# KiCad board panel.kicad_pcb
title: Model-B; date: 2024-06-18; rev: 0.1; note: Made with spite
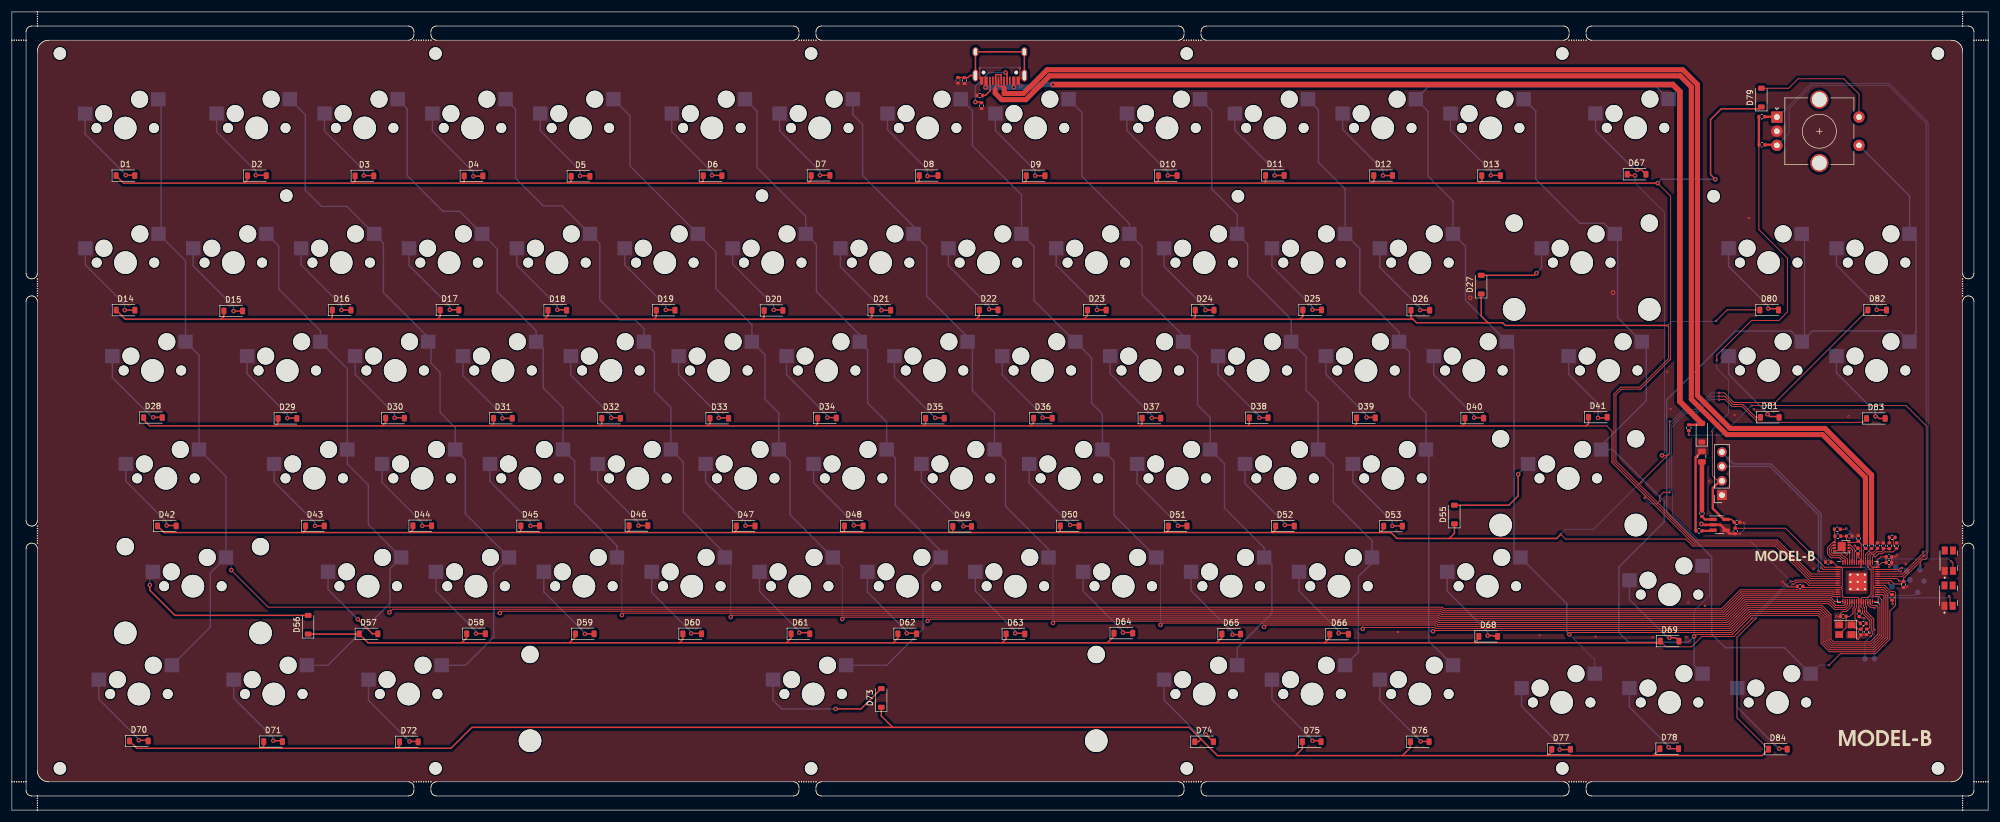
[diagram p0: board, top side]
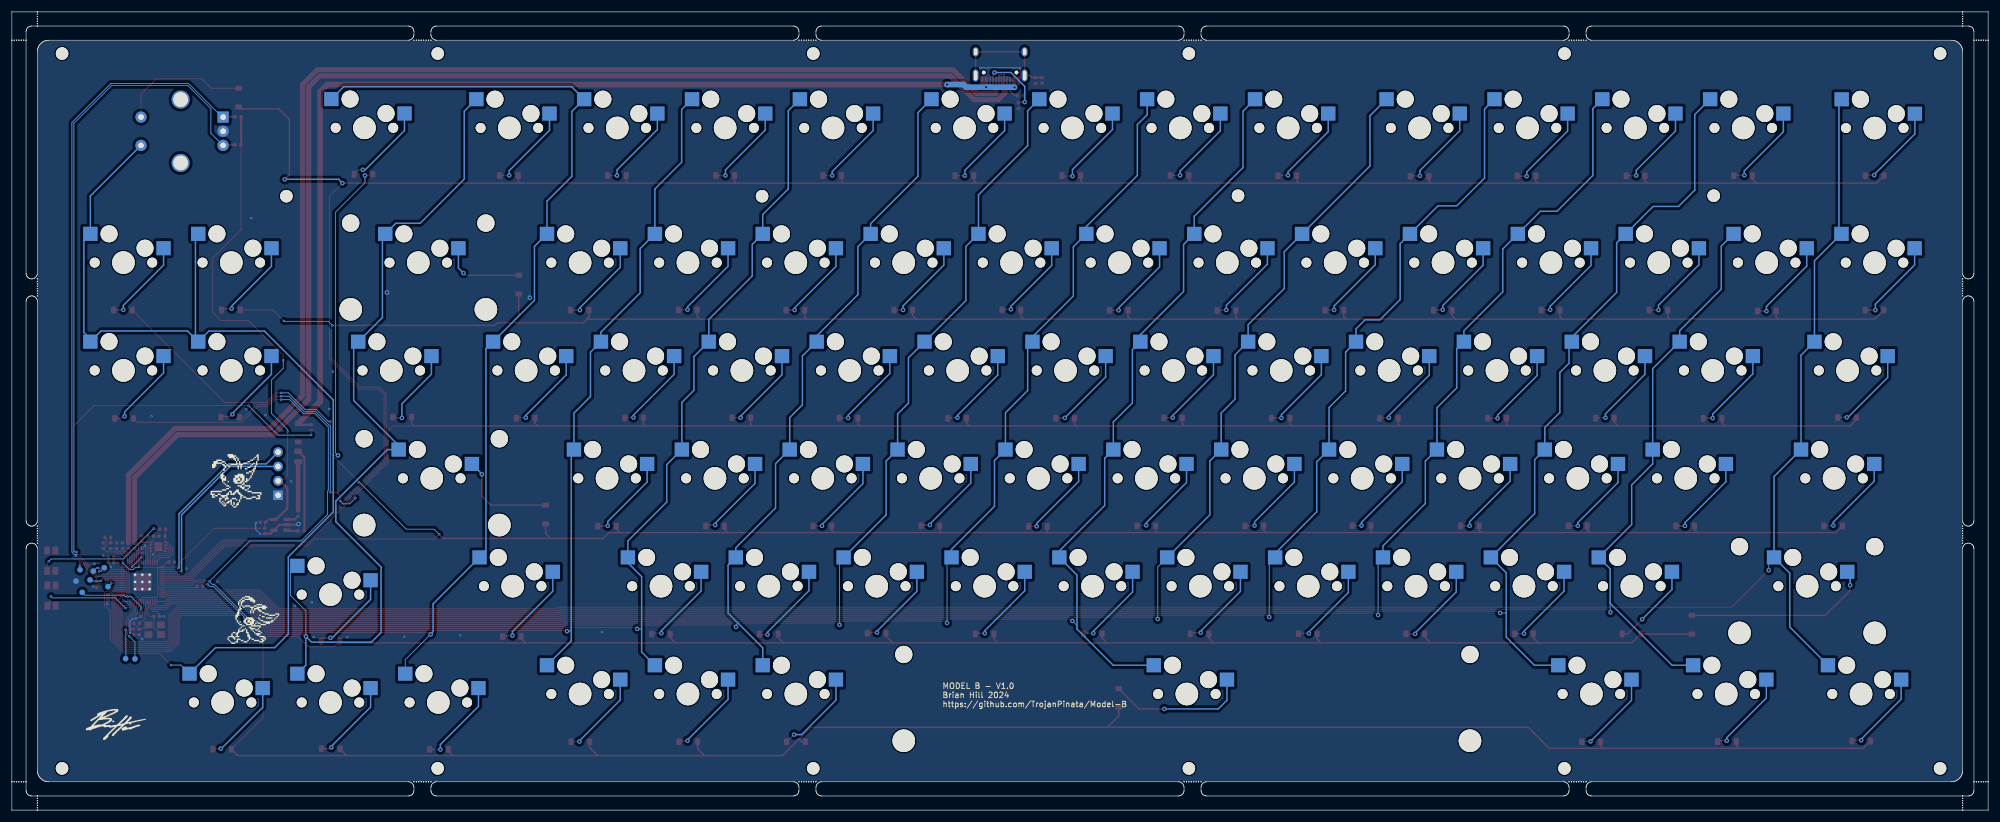
[diagram p1: board, bottom side, seen from below]

Outline 349 x 141 mm; copper layers: Top, Bottom. Coordinates in mm from the lower left corner of the outline.
Stack: Top 0.035mm / dielectric 1.51mm FR4 er 4.5 / Bottom 0.035mm

## Placement (name value [footprint] x y rotation side)
C1  0.1uF  [C_0402_1005Metric]  324.46 48.41 180 top
C2  22pF  [C_0402_1005Metric]  323.43 34.22 0 top
C3  22pF  [C_0402_1005Metric]  326.52 31.47 270 top
C4  0.1uF  [C_0402_1005Metric]  167.08 128.91 270 top
C5  10uF  [C_0402_1005Metric]  304.34 49.31 270 top
C6  10uF  [C_0402_1005Metric]  304.64 50.86 0 top
C7  1uF  [C_0402_1005Metric]  329.46 46.73 90 top
C8  0.1uF  [C_0402_1005Metric]  327.56 31.49 270 top
C9  0.1uF  [C_0402_1005Metric]  326 45.78 90 top
C10  0.1uF  [C_0402_1005Metric]  326.23 34.68 270 top
C11  2.2uF  [C_0402_1005Metric]  332.83 46.7 90 top
C12  0.1uF  [C_0402_1005Metric]  331.49 44.74 0 top
C13  0.1uF  [C_0402_1005Metric]  331.49 43.72 0 top
C14  0.1uF  [C_0402_1005Metric]  320.78 43.81 180 top
C15  0.1uF  [C_0402_1005Metric]  326.08 47.99 90 top
C16  0.1uF  [C_0402_1005Metric]  332.05 37.57 270 top
C17  0.1uF  [C_0402_1005Metric]  330.5 46.71 90 top
C18  2.2uF  [C_0402_1005Metric]  315.8 39.52 180 top
D1  D  [D_SOD-123]  20.04 112.08 0 top
D2  D  [D_SOD-123]  43.27 112.07 0 top
D3  D  [D_SOD-123]  62.25 112.03 0 top
D4  D  [D_SOD-123]  81.52 112.04 0 top
D5  D  [D_SOD-123]  100.42 111.96 0 top
D6  D  [D_SOD-123]  123.73 112.06 0 top
D7  D  [D_SOD-123]  142.81 112.11 0 top
D8  D  [D_SOD-123]  161.9 112.09 0 top
D9  D  [D_SOD-123]  180.79 112.06 0 top
D10  D  [D_SOD-123]  204.12 112.08 0 top
D11  D  [D_SOD-123]  223.04 112.11 0 top
D12  D  [D_SOD-123]  242.16 112.1 0 top
D13  D  [D_SOD-123]  261.23 112.08 0 top
D14  D  [D_SOD-123]  20.07 88.32 0 top
D15  D  [D_SOD-123]  39.09 88.18 0 top
D16  D  [D_SOD-123]  58.23 88.34 0 top
D17  D  [D_SOD-123]  77.28 88.34 0 top
D18  D  [D_SOD-123]  96.31 88.3 0 top
D19  D  [D_SOD-123]  115.45 88.31 0 top
D20  D  [D_SOD-123]  134.5 88.26 0 top
D21  D  [D_SOD-123]  153.53 88.3 0 top
D22  D  [D_SOD-123]  172.5 88.35 0 top
D23  D  [D_SOD-123]  191.59 88.33 0 top
D24  D  [D_SOD-123]  210.64 88.31 0 top
D25  D  [D_SOD-123]  229.63 88.35 0 top
D26  D  [D_SOD-123]  248.72 88.31 0 top
D27  D  [D_SOD-123]  259.49 92.82 90 top
D28  D  [D_SOD-123]  24.91 69.34 0 top
D29  D  [D_SOD-123]  48.66 69.19 0 top
D30  D  [D_SOD-123]  67.66 69.24 0 top
D31  D  [D_SOD-123]  86.71 69.21 0 top
D32  D  [D_SOD-123]  105.82 69.22 0 top
D33  D  [D_SOD-123]  124.92 69.21 0 top
D34  D  [D_SOD-123]  143.94 69.27 0 top
D35  D  [D_SOD-123]  163 69.21 0 top
D36  D  [D_SOD-123]  182.07 69.23 0 top
D37  D  [D_SOD-123]  201.24 69.24 0 top
D38  D  [D_SOD-123]  220.18 69.31 0 top
D39  D  [D_SOD-123]  239.12 69.29 0 top
D40  D  [D_SOD-123]  258.26 69.24 0 top
D41  D  [D_SOD-123]  280.08 69.41 0 top
D42  D  [D_SOD-123]  27.36 50.2 0 top
D43  D  [D_SOD-123]  53.51 50.21 0 top
D44  D  [D_SOD-123]  72.47 50.23 0 top
D45  D  [D_SOD-123]  91.53 50.22 0 top
D46  D  [D_SOD-123]  110.64 50.26 0 top
D47  D  [D_SOD-123]  129.58 50.19 0 top
D48  D  [D_SOD-123]  148.66 50.2 0 top
D49  D  [D_SOD-123]  167.82 50.11 0 top
D50  D  [D_SOD-123]  186.8 50.21 0 top
D51  D  [D_SOD-123]  205.87 50.18 0 top
D52  D  [D_SOD-123]  224.82 50.18 0 top
D53  D  [D_SOD-123]  243.91 50.16 0 top
D54  1N4002W  [D_SOD-123]  298.43 66.67 90 top
D55  D  [D_SOD-123]  254.75 52.21 90 top
D56  D  [D_SOD-123]  52.32 32.75 90 top
D57  D  [D_SOD-123]  62.97 31.13 0 top
D58  D  [D_SOD-123]  81.96 31.16 0 top
D59  D  [D_SOD-123]  101.16 31.14 0 top
D60  D  [D_SOD-123]  120.14 31.14 0 top
D61  D  [D_SOD-123]  139.25 31.14 0 top
D62  D  [D_SOD-123]  158.11 31.15 0 top
D63  D  [D_SOD-123]  177.22 31.12 0 top
D64  D  [D_SOD-123]  196.28 31.26 0 top
D65  D  [D_SOD-123]  215.33 31.1 0 top
D66  D  [D_SOD-123]  234.38 31.08 0 top
D67  D  [D_SOD-123]  286.92 112.31 0 top
D68  D  [D_SOD-123]  260.71 30.69 0 top
D69  D  [D_SOD-123]  292.75 29.85 0 top
D70  D  [D_SOD-123]  22.42 12.2 0 top
D71  D  [D_SOD-123]  46.12 12.11 0 top
D72  D  [D_SOD-123]  70.09 12.06 0 top
D73  D  [D_SOD-123]  153.54 19.81 90 top
D74  D  [D_SOD-123]  210.54 12.08 0 top
D75  D  [D_SOD-123]  229.55 12.08 0 top
D76  D  [D_SOD-123]  248.62 12.08 0 top
D77  D  [D_SOD-123]  273.58 10.75 0 top
D78  D  [D_SOD-123]  292.68 10.85 0 top
D79  D  [D_SOD-123]  308.96 125.86 90 top
D80  D  [D_SOD-123]  310.33 88.34 0 top
D81  D  [D_SOD-123]  310.44 69.38 0 top
D82  D  [D_SOD-123]  329.41 88.34 0 top
D83  D  [D_SOD-123]  329.18 69.18 0 top
D84  D  [D_SOD-123]  311.87 10.76 0 top
F1  0805L050WR  [Fuse_0805_2012Metric]  298.44 62.45 270 top
FB1  FB  [R_0402_1005Metric]  298.45 52.41 90 top
G***  -  [LOGO]  330.65 12.27 0 top
G***#2  -  [LOGO]  313.05 44.62 0 top
G***#3  -  [LOGO]  330.5 15.27 180 bottom
G***#4  -  [LOGO]  306.25 33.59 180 bottom
G***#5  -  [LOGO]  309.41 58.16 180 bottom
KiKit_MB_1_1  -  [NPTH]  4.5 90.83 0 top
KiKit_MB_1_2  -  [NPTH]  4.5 91.26 0 top
KiKit_MB_1_3  -  [NPTH]  4.5 91.69 0 top
KiKit_MB_1_4  -  [NPTH]  4.5 92.12 0 top
KiKit_MB_1_5  -  [NPTH]  4.5 92.55 0 top
KiKit_MB_1_6  -  [NPTH]  4.5 92.98 0 top
KiKit_MB_1_7  -  [NPTH]  4.5 93.4 0 top
KiKit_MB_1_8  -  [NPTH]  4.5 93.83 0 top
KiKit_MB_2_1  -  [NPTH]  4.5 47.17 0 top
KiKit_MB_2_2  -  [NPTH]  4.5 47.6 0 top
KiKit_MB_2_3  -  [NPTH]  4.5 48.02 0 top
KiKit_MB_2_4  -  [NPTH]  4.5 48.45 0 top
KiKit_MB_2_5  -  [NPTH]  4.5 48.88 0 top
KiKit_MB_2_6  -  [NPTH]  4.5 49.31 0 top
KiKit_MB_2_7  -  [NPTH]  4.5 49.74 0 top
KiKit_MB_2_8  -  [NPTH]  4.5 50.17 0 top
KiKit_MB_3_1  -  [NPTH]  344.5 93.83 0 top
KiKit_MB_3_2  -  [NPTH]  344.5 93.4 0 top
KiKit_MB_3_3  -  [NPTH]  344.5 92.98 0 top
KiKit_MB_3_4  -  [NPTH]  344.5 92.55 0 top
KiKit_MB_3_5  -  [NPTH]  344.5 92.12 0 top
KiKit_MB_3_6  -  [NPTH]  344.5 91.69 0 top
KiKit_MB_3_7  -  [NPTH]  344.5 91.26 0 top
KiKit_MB_3_8  -  [NPTH]  344.5 90.83 0 top
KiKit_MB_4_1  -  [NPTH]  344.5 50.17 0 top
KiKit_MB_4_2  -  [NPTH]  344.5 49.74 0 top
KiKit_MB_4_3  -  [NPTH]  344.5 49.31 0 top
KiKit_MB_4_4  -  [NPTH]  344.5 48.88 0 top
KiKit_MB_4_5  -  [NPTH]  344.5 48.45 0 top
KiKit_MB_4_6  -  [NPTH]  344.5 48.02 0 top
KiKit_MB_4_7  -  [NPTH]  344.5 47.6 0 top
KiKit_MB_4_8  -  [NPTH]  344.5 47.17 0 top
KiKit_MB_5_1  -  [NPTH]  71 136 0 top
KiKit_MB_5_2  -  [NPTH]  71.43 136 0 top
KiKit_MB_5_3  -  [NPTH]  71.86 136 0 top
KiKit_MB_5_4  -  [NPTH]  72.29 136 0 top
KiKit_MB_5_5  -  [NPTH]  72.71 136 0 top
KiKit_MB_5_6  -  [NPTH]  73.14 136 0 top
KiKit_MB_5_7  -  [NPTH]  73.57 136 0 top
KiKit_MB_5_8  -  [NPTH]  74 136 0 top
KiKit_MB_6_1  -  [NPTH]  139 136 0 top
KiKit_MB_6_2  -  [NPTH]  139.43 136 0 top
KiKit_MB_6_3  -  [NPTH]  139.86 136 0 top
KiKit_MB_6_4  -  [NPTH]  140.29 136 0 top
KiKit_MB_6_5  -  [NPTH]  140.71 136 0 top
KiKit_MB_6_6  -  [NPTH]  141.14 136 0 top
KiKit_MB_6_7  -  [NPTH]  141.57 136 0 top
KiKit_MB_6_8  -  [NPTH]  142 136 0 top
KiKit_MB_7_1  -  [NPTH]  207 136 0 top
KiKit_MB_7_2  -  [NPTH]  207.43 136 0 top
KiKit_MB_7_3  -  [NPTH]  207.86 136 0 top
KiKit_MB_7_4  -  [NPTH]  208.29 136 0 top
KiKit_MB_7_5  -  [NPTH]  208.71 136 0 top
KiKit_MB_7_6  -  [NPTH]  209.14 136 0 top
KiKit_MB_7_7  -  [NPTH]  209.57 136 0 top
KiKit_MB_7_8  -  [NPTH]  210 136 0 top
KiKit_MB_8_1  -  [NPTH]  275 136 0 top
KiKit_MB_8_2  -  [NPTH]  275.43 136 0 top
KiKit_MB_8_3  -  [NPTH]  275.86 136 0 top
KiKit_MB_8_4  -  [NPTH]  276.29 136 0 top
KiKit_MB_8_5  -  [NPTH]  276.71 136 0 top
KiKit_MB_8_6  -  [NPTH]  277.14 136 0 top
KiKit_MB_8_7  -  [NPTH]  277.57 136 0 top
KiKit_MB_8_8  -  [NPTH]  278 136 0 top
KiKit_MB_9_1  -  [NPTH]  74 5 0 top
KiKit_MB_9_2  -  [NPTH]  73.57 5 0 top
KiKit_MB_9_3  -  [NPTH]  73.14 5 0 top
KiKit_MB_9_4  -  [NPTH]  72.71 5 0 top
KiKit_MB_9_5  -  [NPTH]  72.29 5 0 top
KiKit_MB_9_6  -  [NPTH]  71.86 5 0 top
KiKit_MB_9_7  -  [NPTH]  71.43 5 0 top
KiKit_MB_9_8  -  [NPTH]  71 5 0 top
KiKit_MB_10_1  -  [NPTH]  142 5 0 top
KiKit_MB_10_2  -  [NPTH]  141.57 5 0 top
KiKit_MB_10_3  -  [NPTH]  141.14 5 0 top
KiKit_MB_10_4  -  [NPTH]  140.71 5 0 top
KiKit_MB_10_5  -  [NPTH]  140.29 5 0 top
KiKit_MB_10_6  -  [NPTH]  139.86 5 0 top
KiKit_MB_10_7  -  [NPTH]  139.43 5 0 top
KiKit_MB_10_8  -  [NPTH]  139 5 0 top
KiKit_MB_11_1  -  [NPTH]  210 5 0 top
KiKit_MB_11_2  -  [NPTH]  209.57 5 0 top
KiKit_MB_11_3  -  [NPTH]  209.14 5 0 top
KiKit_MB_11_4  -  [NPTH]  208.71 5 0 top
KiKit_MB_11_5  -  [NPTH]  208.29 5 0 top
KiKit_MB_11_6  -  [NPTH]  207.86 5 0 top
KiKit_MB_11_7  -  [NPTH]  207.43 5 0 top
KiKit_MB_11_8  -  [NPTH]  207 5 0 top
KiKit_MB_12_1  -  [NPTH]  278 5 0 top
KiKit_MB_12_2  -  [NPTH]  277.57 5 0 top
KiKit_MB_12_3  -  [NPTH]  277.14 5 0 top
KiKit_MB_12_4  -  [NPTH]  276.71 5 0 top
KiKit_MB_12_5  -  [NPTH]  276.29 5 0 top
KiKit_MB_12_6  -  [NPTH]  275.86 5 0 top
KiKit_MB_12_7  -  [NPTH]  275.43 5 0 top
KiKit_MB_12_8  -  [NPTH]  275 5 0 top
KiKit_MB_13_1  -  [NPTH]  4.5 141 0 top
KiKit_MB_13_2  -  [NPTH]  4.5 140.58 0 top
KiKit_MB_13_3  -  [NPTH]  4.5 140.17 0 top
KiKit_MB_13_4  -  [NPTH]  4.5 139.75 0 top
KiKit_MB_13_5  -  [NPTH]  4.5 139.33 0 top
KiKit_MB_13_6  -  [NPTH]  4.5 138.92 0 top
KiKit_MB_13_7  -  [NPTH]  4.5 138.5 0 top
KiKit_MB_14_1  -  [NPTH]  344.5 141 0 top
KiKit_MB_14_2  -  [NPTH]  344.5 140.58 0 top
KiKit_MB_14_3  -  [NPTH]  344.5 140.17 0 top
KiKit_MB_14_4  -  [NPTH]  344.5 139.75 0 top
KiKit_MB_14_5  -  [NPTH]  344.5 139.33 0 top
KiKit_MB_14_6  -  [NPTH]  344.5 138.92 0 top
KiKit_MB_14_7  -  [NPTH]  344.5 138.5 0 top
KiKit_MB_15_1  -  [NPTH]  4.5 2.5 0 top
KiKit_MB_15_2  -  [NPTH]  4.5 2.08 0 top
KiKit_MB_15_3  -  [NPTH]  4.5 1.67 0 top
KiKit_MB_15_4  -  [NPTH]  4.5 1.25 0 top
KiKit_MB_15_5  -  [NPTH]  4.5 0.83 0 top
KiKit_MB_15_6  -  [NPTH]  4.5 0.42 0 top
KiKit_MB_15_7  -  [NPTH]  4.5 0 0 top
KiKit_MB_16_1  -  [NPTH]  344.5 2.5 0 top
KiKit_MB_16_2  -  [NPTH]  344.5 2.08 0 top
KiKit_MB_16_3  -  [NPTH]  344.5 1.67 0 top
KiKit_MB_16_4  -  [NPTH]  344.5 1.25 0 top
KiKit_MB_16_5  -  [NPTH]  344.5 0.83 0 top
KiKit_MB_16_6  -  [NPTH]  344.5 0.42 0 top
KiKit_MB_16_7  -  [NPTH]  344.5 0 0 top
KiKit_MB_17_1  -  [NPTH]  0 136 0 top
KiKit_MB_17_2  -  [NPTH]  0.42 136 0 top
KiKit_MB_17_3  -  [NPTH]  0.83 136 0 top
KiKit_MB_17_4  -  [NPTH]  1.25 136 0 top
KiKit_MB_17_5  -  [NPTH]  1.67 136 0 top
KiKit_MB_17_6  -  [NPTH]  2.08 136 0 top
KiKit_MB_17_7  -  [NPTH]  2.5 136 0 top
KiKit_MB_18_1  -  [NPTH]  0 5 0 top
KiKit_MB_18_2  -  [NPTH]  0.42 5 0 top
KiKit_MB_18_3  -  [NPTH]  0.83 5 0 top
KiKit_MB_18_4  -  [NPTH]  1.25 5 0 top
KiKit_MB_18_5  -  [NPTH]  1.67 5 0 top
KiKit_MB_18_6  -  [NPTH]  2.08 5 0 top
KiKit_MB_18_7  -  [NPTH]  2.5 5 0 top
KiKit_MB_19_1  -  [NPTH]  346.5 136 0 top
KiKit_MB_19_2  -  [NPTH]  346.92 136 0 top
KiKit_MB_19_3  -  [NPTH]  347.33 136 0 top
KiKit_MB_19_4  -  [NPTH]  347.75 136 0 top
KiKit_MB_19_5  -  [NPTH]  348.17 136 0 top
KiKit_MB_19_6  -  [NPTH]  348.58 136 0 top
KiKit_MB_19_7  -  [NPTH]  349 136 0 top
KiKit_MB_20_1  -  [NPTH]  346.5 5 0 top
KiKit_MB_20_2  -  [NPTH]  346.92 5 0 top
KiKit_MB_20_3  -  [NPTH]  347.33 5 0 top
KiKit_MB_20_4  -  [NPTH]  347.75 5 0 top
KiKit_MB_20_5  -  [NPTH]  348.17 5 0 top
KiKit_MB_20_6  -  [NPTH]  348.58 5 0 top
KiKit_MB_20_7  -  [NPTH]  349 5 0 top
NOREF  -  [MountingHole_2.2mm_M2_ISO7380]  273.81 7.37 0 top
NOREF#2  -  [unnamed]  216.52 108.44 0 top
NOREF#3  -  [MountingHole_2.2mm_M2_ISO7380]  141.15 7.37 0 top
NOREF#4  -  [unnamed]  273.81 133.65 0 top
NOREF#5  -  [MountingHole_2.2mm_M2_ISO7380]  340.14 7.37 0 top
NOREF#6  -  [MountingHole_2.2mm_M2_ISO7380]  74.81 7.37 0 top
NOREF#7  -  [unnamed]  300.52 108.44 0 top
NOREF#8  -  [unnamed]  207.47 133.65 0 top
NOREF#9  -  [unnamed]  8.47 133.65 0 top
NOREF#10  -  [unnamed]  48.46 108.53 0 top
NOREF#11  -  [unnamed]  340.14 133.65 0 top
NOREF#12  -  [unnamed]  141.14 133.65 0 top
NOREF#13  -  [MountingHole_2.2mm_M2_ISO7380]  207.48 7.37 0 top
NOREF#14  -  [unnamed]  74.81 133.65 0 top
NOREF#15  -  [unnamed]  132.46 108.53 0 top
OLED1  Conn_01x04  [PinSocket_1x04_P2.54mm_Vertical]  302 55.62 180 top
R1  10k  [R_0402_1005Metric]  309.03 122.48 180 top
R2  10k  [R_0402_1005Metric]  309.07 117.52 180 top
R3  1k  [R_0402_1005Metric]  322.37 49.62 180 top
R4  10k  [R_0402_1005Metric]  322.47 48.4 0 top
R5  1k  [R_0402_1005Metric]  326.97 32.98 180 top
R6  10k  [R_0402_1005Metric]  168.23 128.87 90 top
R7  10k  [R_0402_1005Metric]  334.06 39.86 90 top
R8  5.6k  [R_0402_1005Metric]  296.15 67.56 90 top
R9  5.1k  [R_0402_1005Metric]  171.23 124.43 270 top
R10  5.1k  [R_0402_1005Metric]  170.92 126.22 180 top
R11  100k  [R_0402_1005Metric]  297.94 49.33 0 top
R13  200  [R_0402_1005Metric]  331.57 46.69 90 top
R14  1  [R_0402_1005Metric]  332.06 48.18 0 top
R15  27  [R_0402_1005Metric]  327.36 46.75 90 top
R16  27  [R_0402_1005Metric]  328.42 46.72 90 top
REF**  -  [MountingHole_2.2mm_M2_ISO7380]  8.48 7.37 0 top
ROTARY1  VOLUME  [RotaryEncoder_Alps_EC11E-Switch_Vertical_H20mm_CircularMountingHoles]  311.7 122.42 0 top
S1  BOOT_SEL  [SW_EVQ-P7A01P]  342.06 44.06 90 top
S2  RESET  [SW_EVQ-P7A01P]  342.01 37.88 90 top
SW1  SW_ESC  [MXOnly-1U-Hotswap]  20.02 120.48 0 top
SW2  SW_F1  [MXOnly-1U-Hotswap]  43.24 120.5 0 top
SW3  SW_F2  [MXOnly-1U-Hotswap]  62.29 120.5 0 top
SW4  SW_F3  [MXOnly-1U-Hotswap]  81.34 120.5 0 top
SW5  SW_F4  [MXOnly-1U-Hotswap]  100.39 120.5 0 top
SW6  SW_F5  [MXOnly-1U-Hotswap]  123.62 120.5 0 top
SW7  SW_F6  [MXOnly-1U-Hotswap]  142.67 120.5 0 top
SW8  SW_F7  [MXOnly-1U-Hotswap]  161.72 120.5 0 top
SW9  SW_F8  [MXOnly-1U-Hotswap]  180.77 120.5 0 top
SW10  SW_F9  [MXOnly-1U-Hotswap]  203.99 120.5 0 top
SW11  SW_F10  [MXOnly-1U-Hotswap]  223.04 120.5 0 top
SW12  SW_F11  [MXOnly-1U-Hotswap]  242.09 120.5 0 top
SW13  SW_F12  [MXOnly-1U-Hotswap]  261.14 120.5 0 top
SW14  SW_`~  [MXOnly-1U-Hotswap]  20.06 96.71 0 top
SW15  SW_1  [MXOnly-1U-Hotswap]  39.11 96.71 0 top
SW16  SW_2  [MXOnly-1U-Hotswap]  58.16 96.71 0 top
SW17  SW_3  [MXOnly-1U-Hotswap]  77.21 96.71 0 top
SW18  SW_4  [MXOnly-1U-Hotswap]  96.26 96.71 0 top
SW19  SW_5  [MXOnly-1U-Hotswap]  115.31 96.71 0 top
SW20  SW_6  [MXOnly-1U-Hotswap]  134.36 96.71 0 top
SW21  SW_7  [MXOnly-1U-Hotswap]  153.41 96.71 0 top
SW22  SW_8  [MXOnly-1U-Hotswap]  172.46 96.71 0 top
SW23  SW_9  [MXOnly-1U-Hotswap]  191.51 96.71 0 top
SW24  SW_0  [MXOnly-1U-Hotswap]  210.56 96.71 0 top
SW25  SW_-  [MXOnly-1U-Hotswap]  229.61 96.71 0 top
SW26  SW_=  [MXOnly-1U-Hotswap]  248.66 96.71 0 top
SW27  SW_BACKSPACE  [MXOnly-2U-Hotswap]  277.23 96.71 0 top
SW28  SW_TAB  [MXOnly-1.5U-Hotswap]  24.82 77.66 0 top
SW29  SW_Q  [MXOnly-1U-Hotswap]  48.63 77.66 0 top
SW30  SW_W  [MXOnly-1U-Hotswap]  67.68 77.66 0 top
SW31  SW_E  [MXOnly-1U-Hotswap]  86.73 77.66 0 top
SW32  SW_R  [MXOnly-1U-Hotswap]  105.78 77.66 0 top
SW33  SW_T  [MXOnly-1U-Hotswap]  124.83 77.66 0 top
SW34  SW_Y  [MXOnly-1U-Hotswap]  143.88 77.66 0 top
SW35  SW_U  [MXOnly-1U-Hotswap]  162.93 77.66 0 top
SW36  SW_I  [MXOnly-1U-Hotswap]  181.98 77.66 0 top
SW37  SW_O  [MXOnly-1U-Hotswap]  201.03 77.66 0 top
SW38  SW_P  [MXOnly-1U-Hotswap]  220.08 77.66 0 top
SW39  SW_[  [MXOnly-1U-Hotswap]  239.13 77.66 0 top
SW40  SW_]  [MXOnly-1U-Hotswap]  258.18 77.66 0 top
SW41  SW_\  [MXOnly-1.5U-Hotswap]  282 77.66 0 top
SW42  SW_CAPS  [MXOnly-1.75U-Hotswap]  27.2 58.61 0 top
SW43  SW_A  [MXOnly-1U-Hotswap]  53.39 58.61 0 top
SW44  SW_S  [MXOnly-1U-Hotswap]  72.44 58.61 0 top
SW45  SW_D  [MXOnly-1U-Hotswap]  91.49 58.61 0 top
SW46  SW_F  [MXOnly-1U-Hotswap]  110.54 58.61 0 top
SW47  SW_G  [MXOnly-1U-Hotswap]  129.59 58.61 0 top
SW48  SW_H  [MXOnly-1U-Hotswap]  148.64 58.61 0 top
SW49  SW_J  [MXOnly-1U-Hotswap]  167.69 58.61 0 top
SW50  SW_K  [MXOnly-1U-Hotswap]  186.74 58.61 0 top
SW51  SW_L  [MXOnly-1U-Hotswap]  205.79 58.61 0 top
SW52  SW_;  [MXOnly-1U-Hotswap]  224.84 58.61 0 top
SW53  SW_'  [MXOnly-1U-Hotswap]  243.89 58.61 0 top
SW54  SW_F13  [MXOnly-1U-Hotswap]  286.74 120.52 0 top
SW55  SW_ENTER  [MXOnly-2.25U-Hotswap]  274.85 58.61 0 top
SW56  SW_LSHIFT  [MXOnly-2.25U-Hotswap]  31.96 39.56 0 top
SW57  SW_Z  [MXOnly-1U-Hotswap]  62.92 39.56 0 top
SW58  SW_X  [MXOnly-1U-Hotswap]  81.97 39.56 0 top
SW59  SW_C  [MXOnly-1U-Hotswap]  101.02 39.56 0 top
SW60  SW_V  [MXOnly-1U-Hotswap]  120.07 39.56 0 top
SW61  SW_B  [MXOnly-1U-Hotswap]  139.12 39.56 0 top
SW62  SW_N  [MXOnly-1U-Hotswap]  158.17 39.56 0 top
SW63  SW_M  [MXOnly-1U-Hotswap]  177.22 39.56 0 top
SW64  SW_,  [MXOnly-1U-Hotswap]  196.27 39.56 0 top
SW65  SW_.  [MXOnly-1U-Hotswap]  215.32 39.56 0 top
SW66  SW_/  [MXOnly-1U-Hotswap]  234.37 39.56 0 top
SW68  SW_RSHIFT  [MXOnly-1.75U-Hotswap]  260.56 39.56 0 top
SW69  SW_UP  [MXOnly-1U-Hotswap]  292.74 38.07 0 top
SW70  SW_LCTRL  [MXOnly-1.25U-Hotswap]  22.44 20.51 0 top
SW71  SW_LWIN  [MXOnly-1.25U-Hotswap]  46.25 20.51 0 top
SW72  SW_LALT  [MXOnly-1.25U-Hotswap]  70.06 20.51 0 top
SW73  SW_SPACE  [MXOnly-6.25U-Hotswap]  141.5 20.51 0 top
SW74  SW_RALT  [MXOnly-1U-Hotswap]  210.56 20.51 0 top
SW75  SW_FN  [MXOnly-1U-Hotswap]  229.61 20.51 0 top
SW76  SW_RCTRL  [MXOnly-1U-Hotswap]  248.66 20.51 0 top
SW77  SW_LEFT  [MXOnly-1U-Hotswap]  273.69 19.02 0 top
SW78  SW_DOWN  [MXOnly-1U-Hotswap]  292.74 19.02 0 top
SW80  SW_DEL  [MXOnly-1U-Hotswap]  310.25 96.72 0 top
SW81  SW_INSERT  [MXOnly-1U-Hotswap]  310.25 77.67 0 top
SW82  SW_HOME  [MXOnly-1U-Hotswap]  329.3 96.72 0 top
SW83  SW_END  [MXOnly-1U-Hotswap]  329.3 77.67 0 top
SW84  SW_RIGHT  [MXOnly-1U-Hotswap]  311.79 19.02 0 top
TP1  TestPoint  [CustomTestPoint]  332.03 39.46 180 bottom
TP2  TestPoint  [CustomTestPoint]  335.21 40.67 180 bottom
TP3  TestPoint  [CustomTestPoint]  332.69 42.82 180 bottom
TP4  TestPoint  [CustomTestPoint]  334.62 42.22 180 bottom
TP5  TestPoint  [CustomTestPoint]  327.27 26.71 180 bottom
TP6  TestPoint  [CustomTestPoint]  328.92 26.75 180 bottom
TP7  TestPoint  [CustomTestPoint]  336.97 42.45 180 bottom
TP8  TestPoint  [CustomTestPoint]  337.67 40.45 180 bottom
TP9  TestPoint  [CustomTestPoint]  336.58 38.46 180 bottom
U1  W25Q16JVUXIQ  [SON-8-1EP_3x2mm_P0.5mm_EP1.4x1.6mm]  323.14 46.55 0 top
U2  TLV75533PDBVR  [SOT-23-5]  301.57 50.4 0 top
U3  RP2040  [RP2040-QFN-56]  325.96 40.31 0 top
USB1  -  [HRO-TYPE-C-31-M-12]  174.48 136.55 180 top
Y1  12MHz  [Crystal_SMD_3225-4Pin_3.2x2.5mm]  323.79 31.87 180 top

## Library data of the parts
C1-C18 = -: Description: Unpolarized capacitor
D1-D53 D55-D84 = -: Description: Diode; Sim.Pins: 1=K 2=A
D54 = -: Description: Zener diode
F1 = -: Description: Resettable fuse, polymeric positive temperature coefficient
FB1 = -: Description: Ferrite bead
OLED1 = -: Description: Generic connector, single row, 01x04, script generated (kicad-library-utils/schlib/autogen/connector/)
R1 R2 = -: Description: Resistor, small symbol
R3-R11 R13-R16 = -: Description: Resistor
ROTARY1 = -: Description: Rotary encoder, dual channel, incremental quadrate outputs, with switch
S1 S2 = -: MANUFACTURER: Panasonic Electronic Components; MAXIMUM_PACKAGE_HEIGHT: 1.35mm; PARTREV: 2022.4; STANDARD: Manufacturer Recommendations
SW1-SW66 SW68-SW78 SW80-SW84 = -: Description: Single Pole Single Throw (SPST) switch
TP1-TP9 = -: Description: test point
U1 = -: Description: 32Mb Serial Flash Memory, Standard/Dual/Quad SPI, DFN-8
U2 = -: Description: 300mA low dropout linear regulator, shutdown pin, 1.5V fixed positive output, SOT-23-5
Y1 = -: Description: Four pin crystal, GND on pins 2 and 4
